# Altium PCB Radxa CM5 IO Board v2200.PcbDoc (part 4 of 8) (continued)
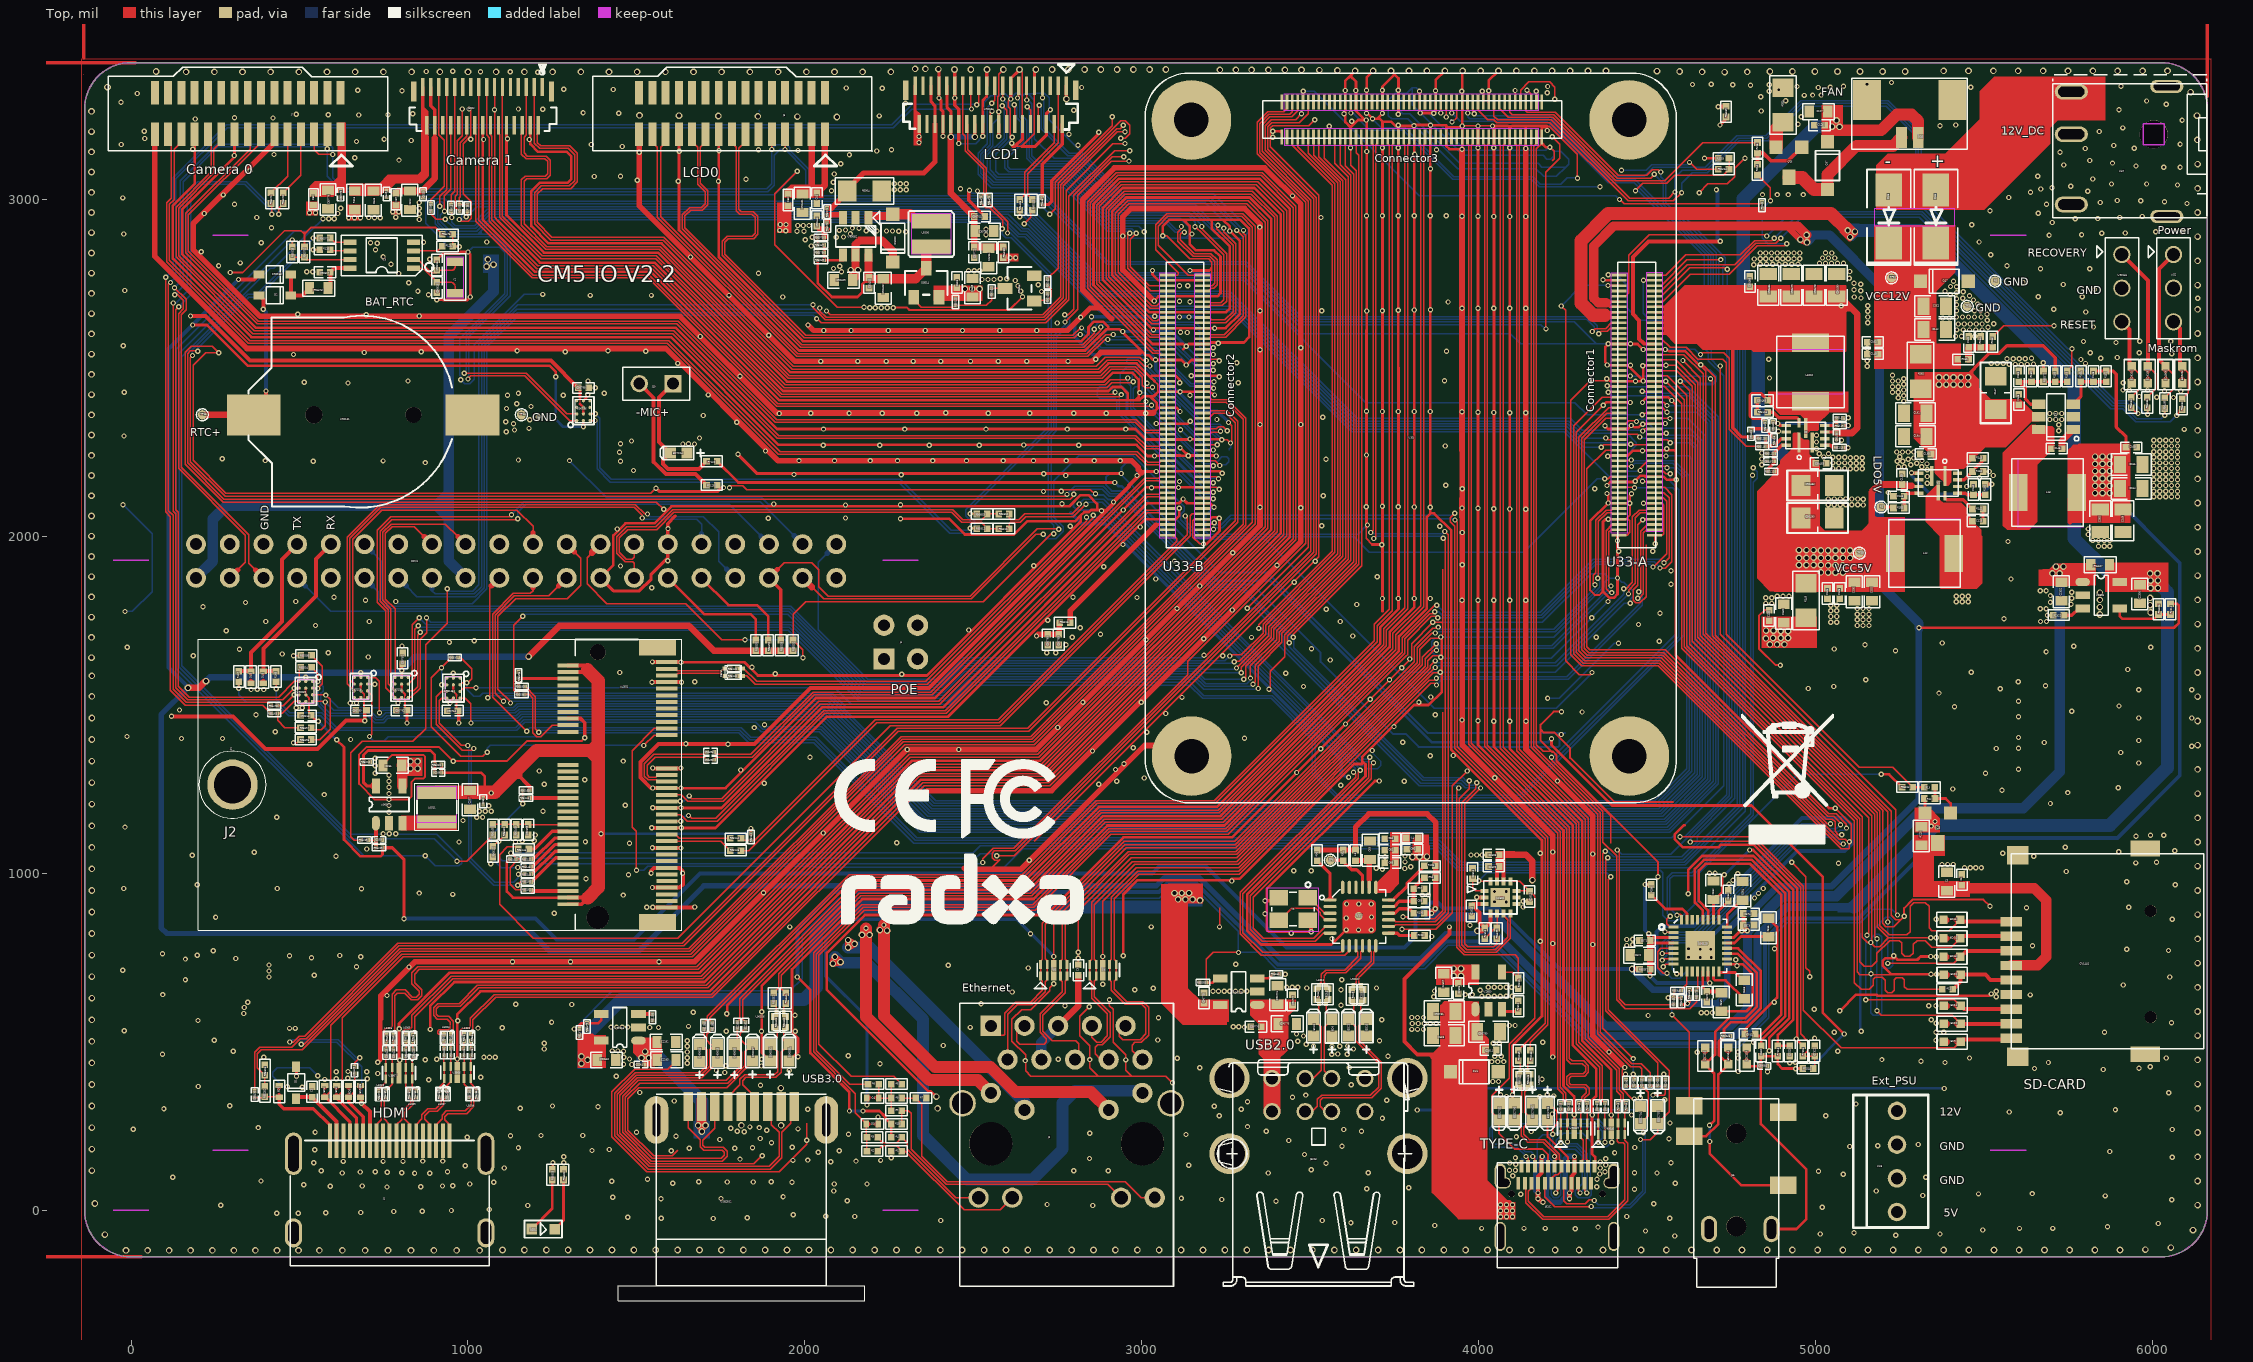
[diagram p0: Top view]
## Nets (pads, with @x,y where several pads share a name; then routed paths per layer and width w, separated by ;. In a path a pad name is that pad's centre, name@x,y a point inside that pad or via, vN(x,y) a via of type N, cw(c..) or ccw(c..) an arc to the next point about the centre after c; other vN are vias at no path point) (continued)
2485.24,2787.4 2501.97,2787.4 2518.7,2787.4 5666.34,2793.31 5812.99,2793.31 2084.65,2794.29 2103.35,2801.18 259.84,2802.17 5566.93,2802.17 4815.94,2805.12 771.65,2807.09 4834.65,2807.09 4853.35,2807.09 4872.05,2807.09 4890.75,2807.09 4909.45,2807.09 4928.15,2807.09 4946.85,2807.09 5010.83,2810.04 5028.54,2810.04 5046.26,2810.04 5063.98,2810.04 5081.69,2810.04 323.82,2811.02 886.81,2821.85 4816.93,2822.83 4834.65,2823.82 4851.38,2823.82 4868.11,2823.82 4884.84,2823.82 4901.57,2823.82 4918.31,2823.82 4935.04,2823.82 4951.77,2823.82 5019.69,2825.79 5037.4,2825.79 5056.1,2825.79 1660.43,2828.74 748.03,2829.72 5518.7,2835.63 4834.65,2840.55 4851.38,2840.55 4868.11,2840.55 4884.84,2840.55 4901.57,2840.55 4918.31,2840.55 4935.04,2840.55 4951.77,2840.55 5047.24,2840.55 5028.54,2841.54 208.66,2844.49 725.39,2850.39 2018.7,2861.22 730.31,2869.09 386.81,2871.06 710.63,2871.06 868.11,2872.05 1056.1,2873.03 5484.25,2873.03 2000.98,2879.92 2092.52,2886.81 2114.17,2887.8 2942.91,2890.75 5691.93,2892.72 2537.4,2894.68 5788.39,2894.68 -21.65,2896.65 2134.84,2897.64 5848.43,2898.62 5918.31,2899.61 2298.23,2903.54 6008.86,2903.54 6086.61,2903.54 1976.38,2904.53 1997.05,2904.53 2278.54,2904.53 2213.58,2905.51 2242.13,2905.51 2259.84,2905.51 2182.09,2906.5 2101.38,2907.48 2120.08,2908.46 2537.4,2911.42 2160.43,2913.39 2140.75,2914.37 416.93,2915.75 1978.35,2922.24 1995.08,2922.24 2011.81,2922.24 5462.6,2924.21 5701.77,2931.1 855.31,2939.96 586.61,2941.93 603.35,2941.93 5769.69,2941.93 5836.61,2942.91 722.44,2944.88 739.17,2944.88 373.03,2945.87 705.71,2945.87 3531.5,2945.87 5901.57,2945.87 4044.29,2948.82 4091.54,2948.82 5968.5,2948.82 3997.05,2949.8 3666.34,2950.79 3713.58,2950.79 3760.83,2950.79 3808.07,2950.79 3855.31,2950.79 3902.56,2950.79 855.31,2956.69 217.52,2957.68 613.19,2957.68 5659.45,2958.66 5516.73,2965.55 622.05,2973.43 855.31,2973.43 307.09,2985.24 5684.06,2985.24 6101.38,2987.2 5843.5,2990.16 6034.45,2992.13 5963.58,2995.08 5894.69,2996.06 -24.61,3003.94 5571.85,3004.92 3446.85,3009.84 273.62,3012.8 4841.54,3013.78 4884.84,3013.78 4918.31,3013.78 4962.6,3013.78 5636.81,3020.67 5807.09,3023.62 2078.74,3025.59 2264.76,3028.54 2282.48,3028.54 2300.2,3028.54 5667.32,3030.51 2461.61,3031.5 5700.79,3034.45 5755.91,3038.39 6072.83,3042.32 5876.97,3045.28 5981.3,3045.28 2264.76,3046.26 2282.48,3046.26 2300.2,3046.26 2083.66,3050.2 1624.02,3053.15 1743.11,3053.15 1501.97,3056.1 1824.8,3059.06 5821.85,3060.04 1374.8,3067.32 1452.36,3068.5 5658.46,3067.91 2086.61,3074.8 352.36,3084.65 3856.3,3090.55 6032.48,3094.49 6080.71,3094.49 5949.8,3098.43 5735.24,3101.38 2106.3,3105.31 5879.92,3107.28 5812.99,3115.16 795.28,3116.14 664.37,3123.03 306.1,3129.92 2131.89,3131.89 424.21,3132.87 3809.06,3133.86 1507.87,3139.76 5724.41,3139.76 3667.32,3141.73 1626.97,3142.72 1745.08,3143.7 2212.6,3143.31 1979.33,3144.68 1862.2,3146.65 2256.89,3146.65 3874.02,3146.65 183.07,3148.62 5799.21,3150.59 5944.88,3151.57 3713.58,3152.56 3760.83,3152.56 3997.05,3152.56 4044.29,3152.56 1457.87,3156.3 5883.86,3159.45 2810.04,3160.43 -28.54,3162.4 1365.35,3162.2 6080.71,3163.39 669.29,3171.26 831.69,3174.21 1046.26,3177.17 750.98,3178.15 1007.87,3178.15 1117.13,3179.13 40.35,3180.12 3387.8,3184.06 2783.46,3192.91 5840.55,3200.79 39.37,3201.77 5910.43,3211.61 5368.11,3218.5 5415.35,3220.47 4946.85,3222.44 3623.03,3231.3 6086.61,3234.25 190.94,3238.19 421.26,3241.14 307.09,3242.13 4956.69,3245.08 2220.08,3247.24 676.18,3250 585.63,3250.98 762.8,3250.98 490.16,3251.97 835.63,3253.94 3599.41,3253.94 1447.24,3254.72 3666.34,3254.92 3713.58,3254.92 3866.14,3254.92 1341.54,3256.89 4837.6,3261.81 2797.24,3263.78 1078.74,3265.75 5899.61,3265.75 1221.46,3266.73 1149.61,3267.72 6039.37,3281.5 2298.23,3284.45 -29.53,3287.4 5981.3,3291.34 4910.43,3292.32 4836.61,3304.13 4965.55,3308.07 4990.16,3309.06 5015.75,3309.06 18.7,3313.98 4202.76,3315.94 3948.82,3320.87 4861.22,3320.87 804.13,3321.85 3871.06,3321.85 4029.53,3321.85 3603.35,3322.83 3634.84,3322.83 673.23,3323.82 3666.34,3323.82 3713.58,3323.82 3760.83,3323.82 1431.1,3325.59 4889.76,3324.8 1283.86,3326.38 2229.53,3329.13 2122.83,3329.92 2820.87,3331.69 5006.89,3331.69 5042.32,3332.68 5459.65,3332.68 4203.74,3334.65 4943.9,3334.65 5081.69,3335.63 5905.51,3335.63 4806.1,3338.58 4752.95,3339.57 4861.22,3339.57 4633.86,3340.55 4688.98,3341.54 5151.57,3341.54 5224.41,3346.46 1207.09,3376.38 1037.01,3378.35 875.98,3379.13 1125.59,3378.74 954.33,3379.92
  other v2: -14.76,-119.09 49.21,-119.09 113.19,-119.09 177.17,-119.09 241.14,-119.09 305.12,-119.09 369.09,-119.09 433.07,-119.09 497.05,-119.09 559.06,-119.09 626.97,-119.09 694.88,-119.09 762.8,-119.09 830.71,-119.09 898.62,-119.09 966.54,-119.09 1034.45,-119.09 1102.36,-118.11 1167.32,-118.11 1232.28,-118.11 1297.24,-118.11 1362.2,-118.11 1427.17,-118.11 1492.13,-118.11 1557.09,-118.11 1622.05,-118.11 1687.01,-118.11 1751.97,-118.11 1816.93,-118.11 1881.89,-118.11 1946.85,-118.11 2011.81,-118.11 2076.77,-118.11 2141.73,-118.11 2206.69,-118.11 2271.65,-118.11 2336.61,-118.11 2401.57,-118.11 2466.54,-118.11 2531.5,-118.11 2596.46,-118.11 2661.42,-118.11 2726.38,-118.11 2791.34,-118.11 2856.3,-118.11 2921.26,-118.11 2986.22,-118.11 3051.18,-118.11 3116.14,-118.11 3181.1,-118.11 3246.06,-118.11 3311.02,-118.11 3375.98,-118.11 3440.94,-118.11 3505.91,-118.11 3570.87,-118.11 3635.83,-118.11 3700.79,-118.11 3765.75,-118.11 3830.71,-118.11 3895.67,-118.11 3960.63,-118.11 4025.59,-118.11 4090.55,-118.11 4155.51,-118.11 4226.38,-118.11 4297.24,-118.11 4368.11,-118.11 4481.3,-118.11 4556.1,-118.11 4630.91,-118.11 4705.71,-118.11 4780.51,-118.11 4855.31,-118.11 4930.12,-118.11 5004.92,-118.11 5079.72,-118.11 5154.53,-118.11 5229.33,-118.11 5304.13,-118.11 5378.94,-118.11 5453.74,-118.11 5528.54,-118.11 5603.35,-118.11 5678.15,-118.11 5752.95,-118.11 5827.76,-118.11 5902.56,-118.11 5977.36,-117.13 6053.15,-111.22 -77.76,-72.83 6119.09,-59.06 6132.87,14.76 -107.28,19.68 6132.87,86.61 -116.14,117.13 6132.87,158.46 -116.14,181.1 6132.87,230.31 -116.14,245.08 1811.02,251.97 1929.13,251.97 2393.7,302.17 6132.87,302.17 -116.14,309.06 1928.15,362.2 -116.14,373.03 6132.87,374.02 -116.14,437.01 6132.87,445.87 -116.14,500.98 6132.87,517.72 -116.14,564.96 6132.87,589.57 -116.14,628.94 6132.87,661.42 -116.14,692.91 6132.87,733.27 -116.14,756.89 6132.87,805.12 -116.14,820.87 6132.87,876.97 -116.14,884.84 -116.14,948.82 6132.87,948.82 -116.14,1012.8 6132.87,1020.67 -116.14,1076.77 6132.87,1092.52 -116.14,1140.75 6132.87,1164.37 -116.14,1204.72 6132.87,1236.22 -116.14,1268.7 6132.87,1308.07 -116.14,1332.68 6132.87,1379.92 -116.14,1396.65 6132.87,1451.77 -116.14,1460.63 6132.87,1523.62 -116.14,1524.61 -116.14,1585.63 6132.87,1595.47 -117.13,1639.76 6132.87,1667.32 -117.13,1699.8 6132.87,1739.17 -117.13,1759.84 5842.52,1767.72 5993.11,1773.62 5842.52,1789.37 5992.13,1795.28 5842.52,1811.02 6132.87,1811.02 5992.13,1816.93 -117.13,1819.88 5842.52,1832.68 -117.13,1879.92 6132.87,1882.87 -117.13,1939.96 6132.87,1954.72 -117.13,2000 6132.87,2026.57 -117.13,2060.04 6132.87,2098.43 -117.13,2120.08 6132.87,2170.28 -117.13,2180.12 -117.13,2240.16 6132.87,2242.13 -117.13,2300.2 6132.87,2313.98 -117.13,2360.24 6132.87,2385.83 -117.13,2420.28 6132.87,2457.68 -117.13,2480.31 6132.87,2529.53 -117.13,2540.35 -117.13,2600.39 6132.87,2601.38 -117.13,2660.43 6132.87,2673.23 -117.13,2720.47 6132.87,2745.08 -117.13,2780.51 6132.87,2816.93 -117.13,2840.55 6132.87,2888.78 -117.13,2900.59 -117.13,2960.63 6132.87,2960.63 -117.13,3020.67 6132.87,3032.48 -117.13,3080.71 6132.87,3104.33 -117.13,3140.75 6131.89,3176.18 -117.13,3200.79 2094.49,3244.09 1977.36,3245.08 1860.24,3246.06 1743.11,3247.05 1625.98,3248.03 6130.91,3248.03 1508.86,3249.02 -117.13,3260.83 6112.2,3317.91 -69.88,3332.68 4729.33,3376.97 163.39,3377.95 247.05,3377.95 330.71,3377.95 414.37,3377.95 498.03,3377.95 581.69,3377.95 665.35,3377.95 749.02,3377.95 832.68,3377.95 916.34,3377.95 1000,3377.95 1083.66,3377.95 1167.32,3377.95 1250.98,3377.95 1334.65,3377.95 1418.31,3377.95 1501.97,3377.95 1585.63,3377.95 1669.29,3377.95 1752.95,3377.95 1836.61,3377.95 1920.28,3377.95 2003.94,3377.95 2087.6,3377.95 2171.26,3377.95 2254.92,3377.95 4662.4,3377.95 4796.26,3377.95 74.8,3378.94 4595.47,3378.94 4863.19,3378.94 4930.12,3378.94 4997.05,3378.94 5063.98,3378.94 5130.91,3378.94 5197.83,3378.94 5264.76,3378.94 4528.54,3379.92 3792.32,3380.91 3845.47,3380.91 4004.92,3380.91 4111.22,3380.91 4164.37,3380.91 4217.52,3380.91 4270.67,3380.91 4323.82,3380.91 4376.97,3380.91 5378.94,3380.91 5452.76,3380.91 5526.57,3380.91 5600.39,3380.91 5674.21,3380.91 5748.03,3380.91 5821.85,3380.91 5895.67,3380.91 5969.49,3380.91 6043.31,3380.91 3579.72,3381.89 3526.57,3382.87 3231.3,3383.86 3278.54,3383.86 3325.79,3383.86 3375,3383.86 3424.21,3383.86 3473.43,3383.86 2492.13,3384.84 2733.27,3384.84 2781.5,3384.84 2829.72,3384.84 2877.95,3384.84 2926.18,3384.84 2974.41,3384.84 3022.64,3384.84 3070.87,3384.84 2326.77,3386.81 2357.28,3386.81
GPIO0_C2: CON1.12 J24.93 | length 4569.6
  Top w3.94: v1(3260.09,1644.63) 3260.09,1647.64 3295.28,1647.64 3360.24,1712.6 3360.24,1739.17 3572.83,1951.77 3572.83,3045.3 3462.01,3156.13 J24.93@3462.01,3184.65
  Bottom w3.94: 715.76,1953.54 743.31,1925.99 743.31,1815.75 766.73,1792.32 1958.35,1792.32 2183.75,1566.93 2398.93,1566.93 2462.91,1630.91 3246.36,1630.91 v1(3260.09,1644.63)
  Bottom w15.75: CON1.12@692.94,1976.36 715.76,1953.54
GPIO0_C7: CON1.31 R95590.2 U33.56 | length 5276.6
  Top w3.94: v1(4383.86,2427.17) 4383.86,2428.54 U33.56@4415.75,2428.54
  Top w7.87: CON1.31@1692.94,1876.36 1692.94,1874.97 1772.64,1795.28 1858.27,1795.28 1890.75,1762.8 R95590.2@1890.75,1691.93
  Power w3.94: 1712.61,1856.69 1879.92,1689.38 v1(1879.92,1440.94)
  Power w15.75: CON1.31@1692.94,1876.36 1712.61,1856.69
  Bottom w3.94: v1(1879.92,1440.94) 1885.83,1435.04 2050.2,1435.04 2348.43,1136.81 4559.42,1136.81 4694.88,1272.27 4694.88,2343.5 4622.05,2416.34 4394.69,2416.34 v1(4383.86,2427.17)
GPIO0_D0: CON1.29 R95591.2 U33.58 | length 5538.9
  Top w3.94: v1(4380.91,2446.85) 4380.91,2445.57 4415.75,2445.57 U33.58@4415.75,2444.29
  Top w7.87: CON1.29@1592.94,1876.36 1700.6,1768.7 1838.58,1768.7 1854.33,1752.95 R95591.2@1854.33,1691.93
  Power w3.94: 1613.79,1855.51 1645.29,1824.02 1734.15,1824.02 1872.05,1686.12 1872.05,1454.72 v1(1849.41,1432.09)
  Power w15.75: CON1.29@1592.94,1876.36 1613.79,1855.51
  Bottom w3.94: v1(1849.41,1432.09) 1857.28,1432.09 1870.08,1419.29 2042.32,1419.29 2340.55,1121.06 4565.94,1121.06 4710.63,1265.75 4710.63,2354.33 4621.06,2443.9 4383.86,2443.9 v1(4380.91,2446.85)
GPIO0_D3: CON1.40 J24.94 | length 3433
  Top w3.94: v1(3184.05,1646.34) 3184.05,1644.68 3190.77,1644.68 3501.38,1955.29 3501.38,2997.66 3357.28,3141.76 3357.28,3221.4 3379.98,3244.09 3443.9,3244.09 3462.01,3262.2 J24.94@3462.01,3288.58
  Bottom w3.94: 2066.18,1949.61 2039.37,1922.79 2039.37,1722.44 2187.01,1574.8 2395.67,1574.8 2459.65,1638.78 3176.49,1638.78 v1(3184.05,1646.34)
  Bottom w15.75: 2066.18,1949.61 CON1.40@2092.94,1976.36
GPIO1_A6_CAM1: R95595.1 U33.45 U90089.B3 | length 5699
  Top w3.94: R95595.1@535.43,1646.65 567.91,1614.17 567.91,1562.01 v1(554.13,1548.23) U90089.B3@538.39,1549.21 ; U33.45@4520.47,2349.8 4566.93,2349.8 v1(4566.93,2349.41)
  Bottom w3.94: v1(554.13,1548.23) 555.12,1547.24 555.12,1498.03 585.78,1467.37 702.29,1467.37 722.81,1446.85 749.63,1446.85 762.43,1459.65 1146.9,1459.65 1158.72,1471.46 2049.21,1471.46 2360.24,1160.43 4549.21,1160.43 4671.26,1282.48 4671.26,2298.23 4620.08,2349.41 v1(4566.93,2349.41)
GPIO1_A6_CAM1_E: R95570.1 R95595.2 U90089.B1 | length 2371.9
  Top w3.94: v1(125,2691.93) 125,2073.82 132.87,2065.94 132.87,1550.2 168.31,1514.76 449.8,1514.76 v1(484.25,1549.21) U90089.B1@499.02,1549.21 ; v1(437.99,2955.71) 437.99,2973.43 R95570.1@451.77,2987.2 ; v1(482.28,1645.67) 503.94,1645.67 R95595.2@503.94,1646.65
  Power w3.94: v1(482.28,1645.67) 482.28,1551.18 v1(484.25,1549.21)
  Bottom w3.94: v1(125,2691.93) 132.87,2691.93 167.32,2726.38 167.32,3020.98 198.51,3052.17 341.54,3052.17 v1(437.99,2955.71)
GPIO1_B1: CON1.22 U90133.A1 | length 1056.9
  Top w3.94: U90133.A1@662.4,1580.71 657.51,1585.6 657.51,1991.04 744.22,2077.76 1144.86,2077.76 1192.94,2029.67 1192.94,2009.84
  Top w15.75: CON1.22@1192.94,1976.36 1192.94,2009.84
GPIO1_B1_S: U33.40 U90133.A3 | length 5445.3
  Top w3.94: U90133.A3@701.77,1580.71 726.38,1580.71 737.2,1569.88 v1(737.2,1476.38) ; U33.40@4415.75,2302.56 4469.09,2302.56 v1(4477.36,2294.29)
  Bottom w3.94: v1(737.2,1476.38) 744.09,1483.27 1137.12,1483.27 1148.93,1495.08 2061.02,1495.08 2372.05,1184.06 4537.4,1184.06 4647.64,1294.29 4647.64,2266.73 4623.03,2291.34 4480.31,2291.34 v1(4477.36,2294.29)
GPIO1_B2_CAM1: R95594.1 U33.44 U90089.A3 | length 5727.8
  Top w3.94: R95594.1@535.43,1611.22 554.13,1592.52 v1(554.13,1568.9) U90089.A3@538.39,1568.9 ; U33.44@4415.75,2334.06 4436.16,2334.06 4444.63,2342.52 4467.52,2342.52 v1(4467.52,2340.55)
  Bottom w3.94: v1(554.13,1568.9) 569.88,1553.15 569.88,1540.35 562.99,1533.46 562.99,1501.97 589.72,1475.24 705.55,1475.24 726.07,1454.72 746.37,1454.72 759.17,1467.52 1143.64,1467.52 1155.45,1479.33 2053.15,1479.33 2364.17,1168.31 4545.28,1168.31 4663.39,1286.42 4663.39,2282.79 4625.31,2320.87 4517.72,2320.87 4492.13,2346.46 4475.53,2346.46 v1(4467.52,2340.55)
GPIO1_B2_CAM1_E: R95571.1 R95594.2 U90089.A1 | length 2249.3
  Top w3.94: v1(141.73,2681.1) 133.07,2672.44 133.07,2078.74 140.75,2071.06 140.75,1554.13 172.24,1522.64 437.99,1522.64 484.25,1568.9 U90089.A1@499.02,1568.9 499.02,1611.22 R95594.2@503.94,1611.22 ; R95571.1@415.35,2987.2 417.32,2985.24 v1(417.32,2955.71)
  Bottom w3.94: v1(141.73,2681.1) 177.17,2716.54 177.17,3019.68 201.77,3044.29 337.6,3044.29 417.32,2964.57 v1(417.32,2955.71)
GPIO1_B6_CAM2_CLK: J24.10 R715.1 | length 4284.2
  Top w3.94: v1(995.08,2947.83) 998.03,2950.79 R715.1@998.03,2963.58 ; J24.10@4123.43,3288.58 4123.43,3324.01 4147.84,3348.43 4209.45,3348.43 4225.39,3332.48 v1(4225.39,3296.26) ; v1(4198.82,2615.16) 4198.82,3080.71 4239.17,3121.06 4239.17,3163.39 v1(4217.52,3185.04)
  Power w3.94: v1(4217.52,3185.04) 4217.52,3288.39 v1(4225.39,3296.26)
  Bottom w3.94: v1(995.08,2947.83) 1025.59,2978.35 2653.85,2978.35 2857.59,2774.61 3315.94,2774.61 3462.6,2627.95 4184.06,2627.95 4196.85,2615.16 v1(4198.82,2615.16)
GPIO1_B7: J24.12 U90133.B3 | length 5126
  Top w3.94: U90133.B3@701.77,1561.02 v1(723.43,1561.02) ; v1(2034.45,2645.67) 2036.42,2645.67 2048.23,2633.86 2714.88,2633.86 2783.46,2702.45 2783.46,3008.49 2918.67,3143.7 v1(2963.58,3143.7) ; v1(4107.28,3322.83) 4107.68,3322.44 J24.12@4107.68,3288.58
  Power w3.94: v1(723.43,1561.02) 723.43,1744.09 v1(785.43,1806.1) ; v1(2963.58,3143.7) 3013.78,3093.5 3487.51,3093.5 3547.55,3033.46 4048.9,3033.46 4062.01,3046.57 4062.01,3207.99 4107.28,3253.26 v1(4107.28,3322.83)
  Bottom w3.94: v1(785.43,1806.1) 791.34,1800.2 1012.12,1800.2 1056.1,1844.18 1056.1,2561.7 1149.92,2655.51 2024.61,2655.51 v1(2034.45,2645.67)
GPIO1_B7_E: CON1.32 U90133.B1 | length 1606.6
  Top w3.94: U90133.B1@662.4,1561.02 649.63,1573.79 649.63,1994.3 740.96,2085.63 1493.11,2085.63 1516.73,2062.01 v1(1516.73,2054.13)
  Bottom w3.94: v1(1516.73,2054.13) 1516.73,2050.2 1678.35,2050.2 1692.94,2035.6 1692.94,2007.87
  Bottom w15.75: CON1.32@1692.94,1976.36 1692.94,2007.87
GPIO1_C1: J24.20 R159.1 U90133.C3 | length 8867.6
  Top w3.94: U90133.C3@701.77,1541.34 714.57,1528.54 714.57,1412.4 v1(707.68,1405.51) ; J24.20@4044.69,3288.58 4044.69,3246.96 4056.41,3235.24 4214.57,3235.24 4446.85,3002.95 4562.99,3002.95 v1(4581.69,3021.65) ; R159.1@5746.06,2490.16 5759.84,2503.94 v1(5759.84,2556.1)
  Bottom w3.94: v1(707.68,1405.51) 719.49,1393.7 751.97,1393.7 762.8,1404.53 1215.55,1404.53 1227.36,1416.34 1803.15,1416.34 1832.68,1386.81 2025.59,1386.81 2322.83,1089.57 3878.94,1089.57 3943.9,1024.61 4612.51,1024.61 4782.48,1194.57 4782.48,2627.28 4723.43,2686.33 4723.43,2798.03 4731.3,2805.9 4731.3,2826.57 4582.68,2975.2 4582.68,3016.73 v1(4581.69,3021.65) 4581.69,3064.96 4603.35,3086.61 4674.52,3086.61 4769.01,3181.1 4854.64,3181.1 4957.99,3284.45 5211.31,3284.45 5304.13,3191.62 5304.13,3000 5748.03,2556.1 v1(5759.84,2556.1)
GPIO1_C1_E: CON1.33 U90133.C1 | length 1796.8
  Top w3.94: U90133.C1@662.4,1541.34 641.76,1561.98 641.76,1997.56 737.7,2093.5 1496.65,2093.5 1524.21,2065.94 v1(1532.48,2065.94)
  Bottom w3.94: v1(1532.48,2065.94) 1540.16,2058.27 1698.43,2058.27 1744.09,2012.6 1744.09,1925.21 1767.73,1901.57
  Bottom w15.75: 1767.73,1901.57 CON1.33@1792.94,1876.36
GPIO1_C4: CON1.16 U90132.A1 | length 607.2
  Top w3.94: U90132.A1@783.46,1580.71 783.46,1784.33 755.08,1812.72 755.08,2008.5 774.93,2028.35 840.95,2028.35 870.48,1998.82
  Top w15.75: 870.48,1998.82 CON1.16@892.94,1976.36
GPIO1_C4_S: J24.79 U90132.A3 | length 4544.5
  Top w3.94: U90132.A3@822.83,1580.71 834.65,1592.52 834.65,1737.2 v1(855.31,1757.87) ; v1(3321.96,1578.95) 3321.96,1615.27 3399.61,1692.91 3399.61,1719.49 3612.2,1932.09 3612.2,3066.93 3572.24,3106.89 J24.79@3572.24,3184.65
  Bottom w3.94: v1(855.31,1757.87) 875.98,1737.2 1957.79,1737.2 2167.44,1527.56 2415.24,1527.56 2479.21,1591.54 3159.93,1591.54 3189.41,1562.05 3311.39,1562.05 3321.96,1572.63 v1(3321.96,1578.95)
GPIO1_C6: CON1.36 U90132.C1 | length 1738.7
  Top w3.94: U90132.C1@783.46,1541.34 763.35,1561.45 763.35,1782.18 739.24,1806.28 739.24,2014.93 773.52,2049.21 1144.69,2049.21 v1(1147.64,2052.17)
  Bottom w3.94: v1(1147.64,2052.17) 1147.64,2071.26 1170.87,2094.49 1774.81,2094.49 1869.69,1999.61
  Bottom w15.75: 1869.69,1999.61 CON1.36@1892.94,1976.36
GPIO1_C6_S: J24.75 U90132.C3 | length 4577.6
  Top w3.94: U90132.C3@822.83,1541.34 838.58,1541.34 850.39,1553.15 850.39,1706.69 v1(858.27,1714.57) ; v1(3344.98,1548.14) 3344.98,1614.55 3415.35,1684.93 3415.35,1711.61 3627.95,1924.21 3627.95,3074.8 3603.74,3099.02 J24.75@3603.74,3184.65
  Bottom w3.94: v1(858.27,1714.57) 859.18,1713.65 866.99,1721.46 1950.48,1721.46 2160.12,1511.81 2421.76,1511.81 2485.74,1575.79 3153.4,1575.79 3183.05,1546.15 3342.99,1546.15 v1(3344.98,1548.14)
GPIO1_D2: CON1.38 U90132.D1 | length 1867
  Top w3.94: U90132.D1@783.46,1521.65 755.47,1549.64 755.47,1778.92 731.03,1803.36 731.03,2017.85 770.26,2057.09 1122.05,2057.09 v1(1128.94,2063.98)
  Bottom w3.94: v1(1128.94,2063.98) 1167.32,2102.36 1866.94,2102.36 1967.73,2001.57
  Bottom w15.75: 1967.73,2001.57 CON1.38@1992.94,1976.36
GPIO1_D2_S: J24.83 U90132.D3 | length 4577.2
  Top w3.94: U90132.D3@822.83,1521.65 830.7,1521.65 858.27,1549.21 858.27,1694.88 876.97,1713.58 v1(876.97,1757.87) ; v1(3302.38,1575.89) 3308.47,1581.98 3308.47,1613.59 3391.73,1696.85 3391.73,1723.43 3604.33,1936.02 3604.33,3058.35 3540.75,3121.93 J24.83@3540.75,3184.65
  Bottom w3.94: v1(876.97,1757.87) 889.76,1745.08 1961.05,1745.08 2170.7,1535.43 2411.98,1535.43 2475.95,1599.41 3163.19,1599.41 3186.71,1575.89 v1(3302.38,1575.89)
GPIO1_D5: CON1.18 U90132.B1 | length 746.4
  Top w3.94: U90132.B1@783.46,1561.02 771.22,1573.26 771.22,1785.44 747.17,1809.49 747.17,2011.73 771.67,2036.22 933.08,2036.22 970.48,1998.82
  Top w15.75: 970.48,1998.82 CON1.18@992.94,1976.36
GPIO1_D5_S: J24.77 U90132.B3 | length 4550.6
  Top w3.94: U90132.B3@822.83,1561.02 842.52,1580.7 842.52,1724.41 v1(852.36,1734.25) ; v1(3329.67,1560.76) 3336.95,1568.04 3336.95,1617.66 3407.48,1688.19 3407.48,1715.55 3620.08,1928.15 3620.08,3070.87 3587.99,3102.95 J24.77@3587.99,3184.65
  Bottom w3.94: v1(852.36,1734.25) 857.28,1729.33 1953.74,1729.33 2163.39,1519.68 2418.5,1519.68 2482.48,1583.66 3156.67,1583.66 3186.2,1554.13 3323.03,1554.13 v1(3329.67,1560.76)
GPIO3_B7: CON1.26 J24.6 R95592.2 | length 4625.6
  Top w3.94: 1368.35,1951.77 1353.35,1936.77 1353.35,1858.27 1412.4,1799.21 1646.65,1799.21 1752.95,1692.91 v1(1821.85,1692.91) ; v1(1994.09,1639.76) 1994.09,1662.4 R95592.2@1964.57,1691.93 1964.57,1767.72 2001.97,1805.12 2528.54,1805.12 2730.31,2006.89 v1(2738.19,2006.89) ; v1(2771.65,2635.83) 2809.06,2673.23 2809.06,3011.81 2909.45,3112.2 2960.63,3112.2 v1(2961.61,3113.19) ; v1(4142.72,3323.82) 4154.53,3312.01 4154.53,3288.58 J24.6@4154.92,3288.58
  Top w19.68: 1368.35,1951.77 CON1.26@1392.94,1976.36
  Power w3.94: v1(2961.61,3113.19) 2960.63,3112.2 2987.2,3085.63 3484.25,3085.63 3544.29,3025.59 4052.17,3025.59 4069.88,3043.31 4069.88,3204.72 4130.91,3265.75 4130.91,3304.13 4142.72,3315.94 v1(4142.72,3323.82)
  Bottom w3.94: v1(1821.85,1692.91) 1940.94,1692.91 v1(1994.09,1639.76) ; v1(2738.19,2006.89) 2738.19,2032.48 2722.44,2048.23 2722.44,2301.18 2738.19,2316.93 2738.19,2594.49 2771.65,2627.95 v1(2771.65,2635.83)
GPIO3_C0: CON1.35 J24.4 R95593.2 | length 4030.1
  Top w3.94: 1917.76,1901.18 1937.84,1921.26 2020.67,1921.26 2041.34,1900.59 2041.34,1850 2069.49,1821.85 2490.16,1821.85 2689.96,2021.65 2752.95,2021.65 v1(2752.95,2020.67) ; v1(2770.67,2657.48) 2781.5,2657.48 2798.23,2674.21 2798.23,3012.12 2912.09,3125.98 v1(2945.87,3125.98) ; v1(4170.28,3320.87) 4170.67,3320.87 J24.4@4170.67,3288.58
  Top w9.06: CON1.35@1892.94,1876.36 1928.15,1841.15 R95593.2@1928.15,1691.93
  Top w15.75: CON1.35@1892.94,1876.36 1917.76,1901.18
  Power w3.94: v1(2945.87,3125.98) 2945.87,3106.5 2974.61,3077.76 3480.99,3077.76 3541.03,3017.72 4055.43,3017.72 4077.76,3040.05 4077.76,3201.46 4138.78,3262.49 4138.78,3300.2 4159.45,3320.87 v1(4170.28,3320.87)
  Bottom w3.94: v1(2752.95,2020.67) 2752.95,2029.53 2730.31,2052.17 2730.31,2297.24 2746.06,2312.99 2746.06,2590.55 2785.43,2629.92 2785.43,2642.72 v1(2770.67,2657.48)
GPIO4_A4: CON1.15 J24.38 | length 4532.8
  Top w3.94: v1(2044.29,2677.17) 2044.29,2668.25 2062.93,2649.61 2708.35,2649.61 2766.73,2707.99 2766.73,3040.3 2926.24,3199.8 v1(2949.8,3199.8) ; v1(3902.56,3244.09) 3902.95,3244.49 J24.38@3902.95,3288.58
  Power w3.94: v1(2949.8,3199.8) 2959.08,3199.8 3033.88,3125 3500.56,3125 3560.6,3064.96 3880.91,3064.96 3906.5,3090.55 3906.5,3240.16 v1(3902.56,3244.09)
  Bottom w3.94: 892.94,1843.7 892.94,1838.36 902.56,1828.74 1018.39,1828.74 1040.35,1850.7 1040.35,2568.22 1145.36,2673.23 2040.35,2673.23 v1(2044.29,2677.17)
  Bottom w15.75: 892.94,1843.7 CON1.15@892.94,1876.36
GPIO4_A5: CON1.13 J24.40 | length 4600.3
  Top w3.94: v1(2063.98,2668.31) 2074.8,2657.48 2705.09,2657.48 2758.86,2711.25 2758.86,3043.56 2925.2,3209.9 2935.29,3209.9 v1(2944.88,3219.49) ; v1(3886.81,3255.91) 3886.81,3288.58 J24.40@3887.2,3288.58
  Power w3.94: v1(2944.88,3219.49) 2950.53,3219.49 3037.15,3132.87 3503.82,3132.87 3563.86,3072.83 3876.97,3072.83 3898.62,3094.49 3898.62,3221.46 3886.81,3233.27 v1(3886.81,3255.91)
  Bottom w3.94: 816.94,1852.36 848.44,1820.87 1021.65,1820.87 1048.23,1847.44 1048.23,2564.96 1146.65,2663.39 2054.98,2663.39 v1(2063.98,2668.31)
  Bottom w15.75: CON1.13@792.94,1876.36 816.94,1852.36
GPIO4_A6: CON1.11 J24.89 | length 4482
  Top w3.94: v1(3273.62,1627.61) 3273.62,1628.94 3288.39,1628.94 3368.11,1708.66 3368.11,1735.24 3580.71,1947.83 3580.71,3048.57 3493.5,3135.77 J24.89@3493.5,3184.65
  Bottom w3.94: 716.15,1853.15 733.46,1835.84 733.46,1814.45 763.47,1784.45 1955.09,1784.45 2180.48,1559.06 2402.19,1559.06 2466.17,1623.03 3269.05,1623.03 v1(3273.62,1627.61)
  Bottom w15.75: CON1.11@692.94,1876.36 716.15,1853.15
GPIO4_A7: CON1.7 J24.87 | length 4694
  Top w3.94: v1(3280.66,1608.98) 3280.66,1614.17 3285.43,1614.17 3375.98,1704.72 3375.98,1731.3 3588.58,1943.9 3588.58,3051.83 3509.25,3131.16 J24.87@3509.25,3184.65
  Bottom w3.94: 516.94,1852.36 592.73,1776.57 1951.83,1776.57 2177.22,1551.18 2405.45,1551.18 2469.43,1615.16 3169.71,1615.16 3180.32,1604.55 3276.23,1604.55 v1(3280.66,1608.98)
  Bottom w15.75: CON1.7@492.94,1876.36 516.94,1852.36
GSENSOR_INT: R95541.2 U33.29 | length 2329.5
  Top w3.94: v1(2650.59,2927.17) 2670.28,2946.85 2670.28,2963.58 R95541.2@2674.21,2967.52 ; v1(4478.35,2194.88) 4478.35,2201.77 4500.39,2223.82 U33.29@4520.47,2223.82
  Bottom w3.94: v1(2650.59,2927.17) 2659.45,2927.17 2867.13,2719.49 3257.57,2719.49 3635.52,2341.54 4267.04,2341.54 4303.46,2305.12 4439.96,2305.12 4467.52,2277.56 4467.52,2269.68 4437.99,2240.16 4437.99,2197.83 4442.91,2192.91 4476.38,2192.91 v1(4478.35,2194.88)
HDMI0_SBDN: C90430.2 ED1.1 J1.19 R95282.2 | length 316.7
  Top w3.94: C90430.2@367.13,333.66 394.69,333.66 R95282.2@397.15,336.12 438.48,336.12 ED1.1@439.96,334.65
  Top w9.84: ED1.1@439.96,334.65 439.96,313.98 452.76,301.18 541.34,301.18 590.56,251.97 J1.19@590.56,206.69